# Altium PCB 10515.0462_全联供主板_V1.0.PcbDoc (part 4 of 5) (continued)
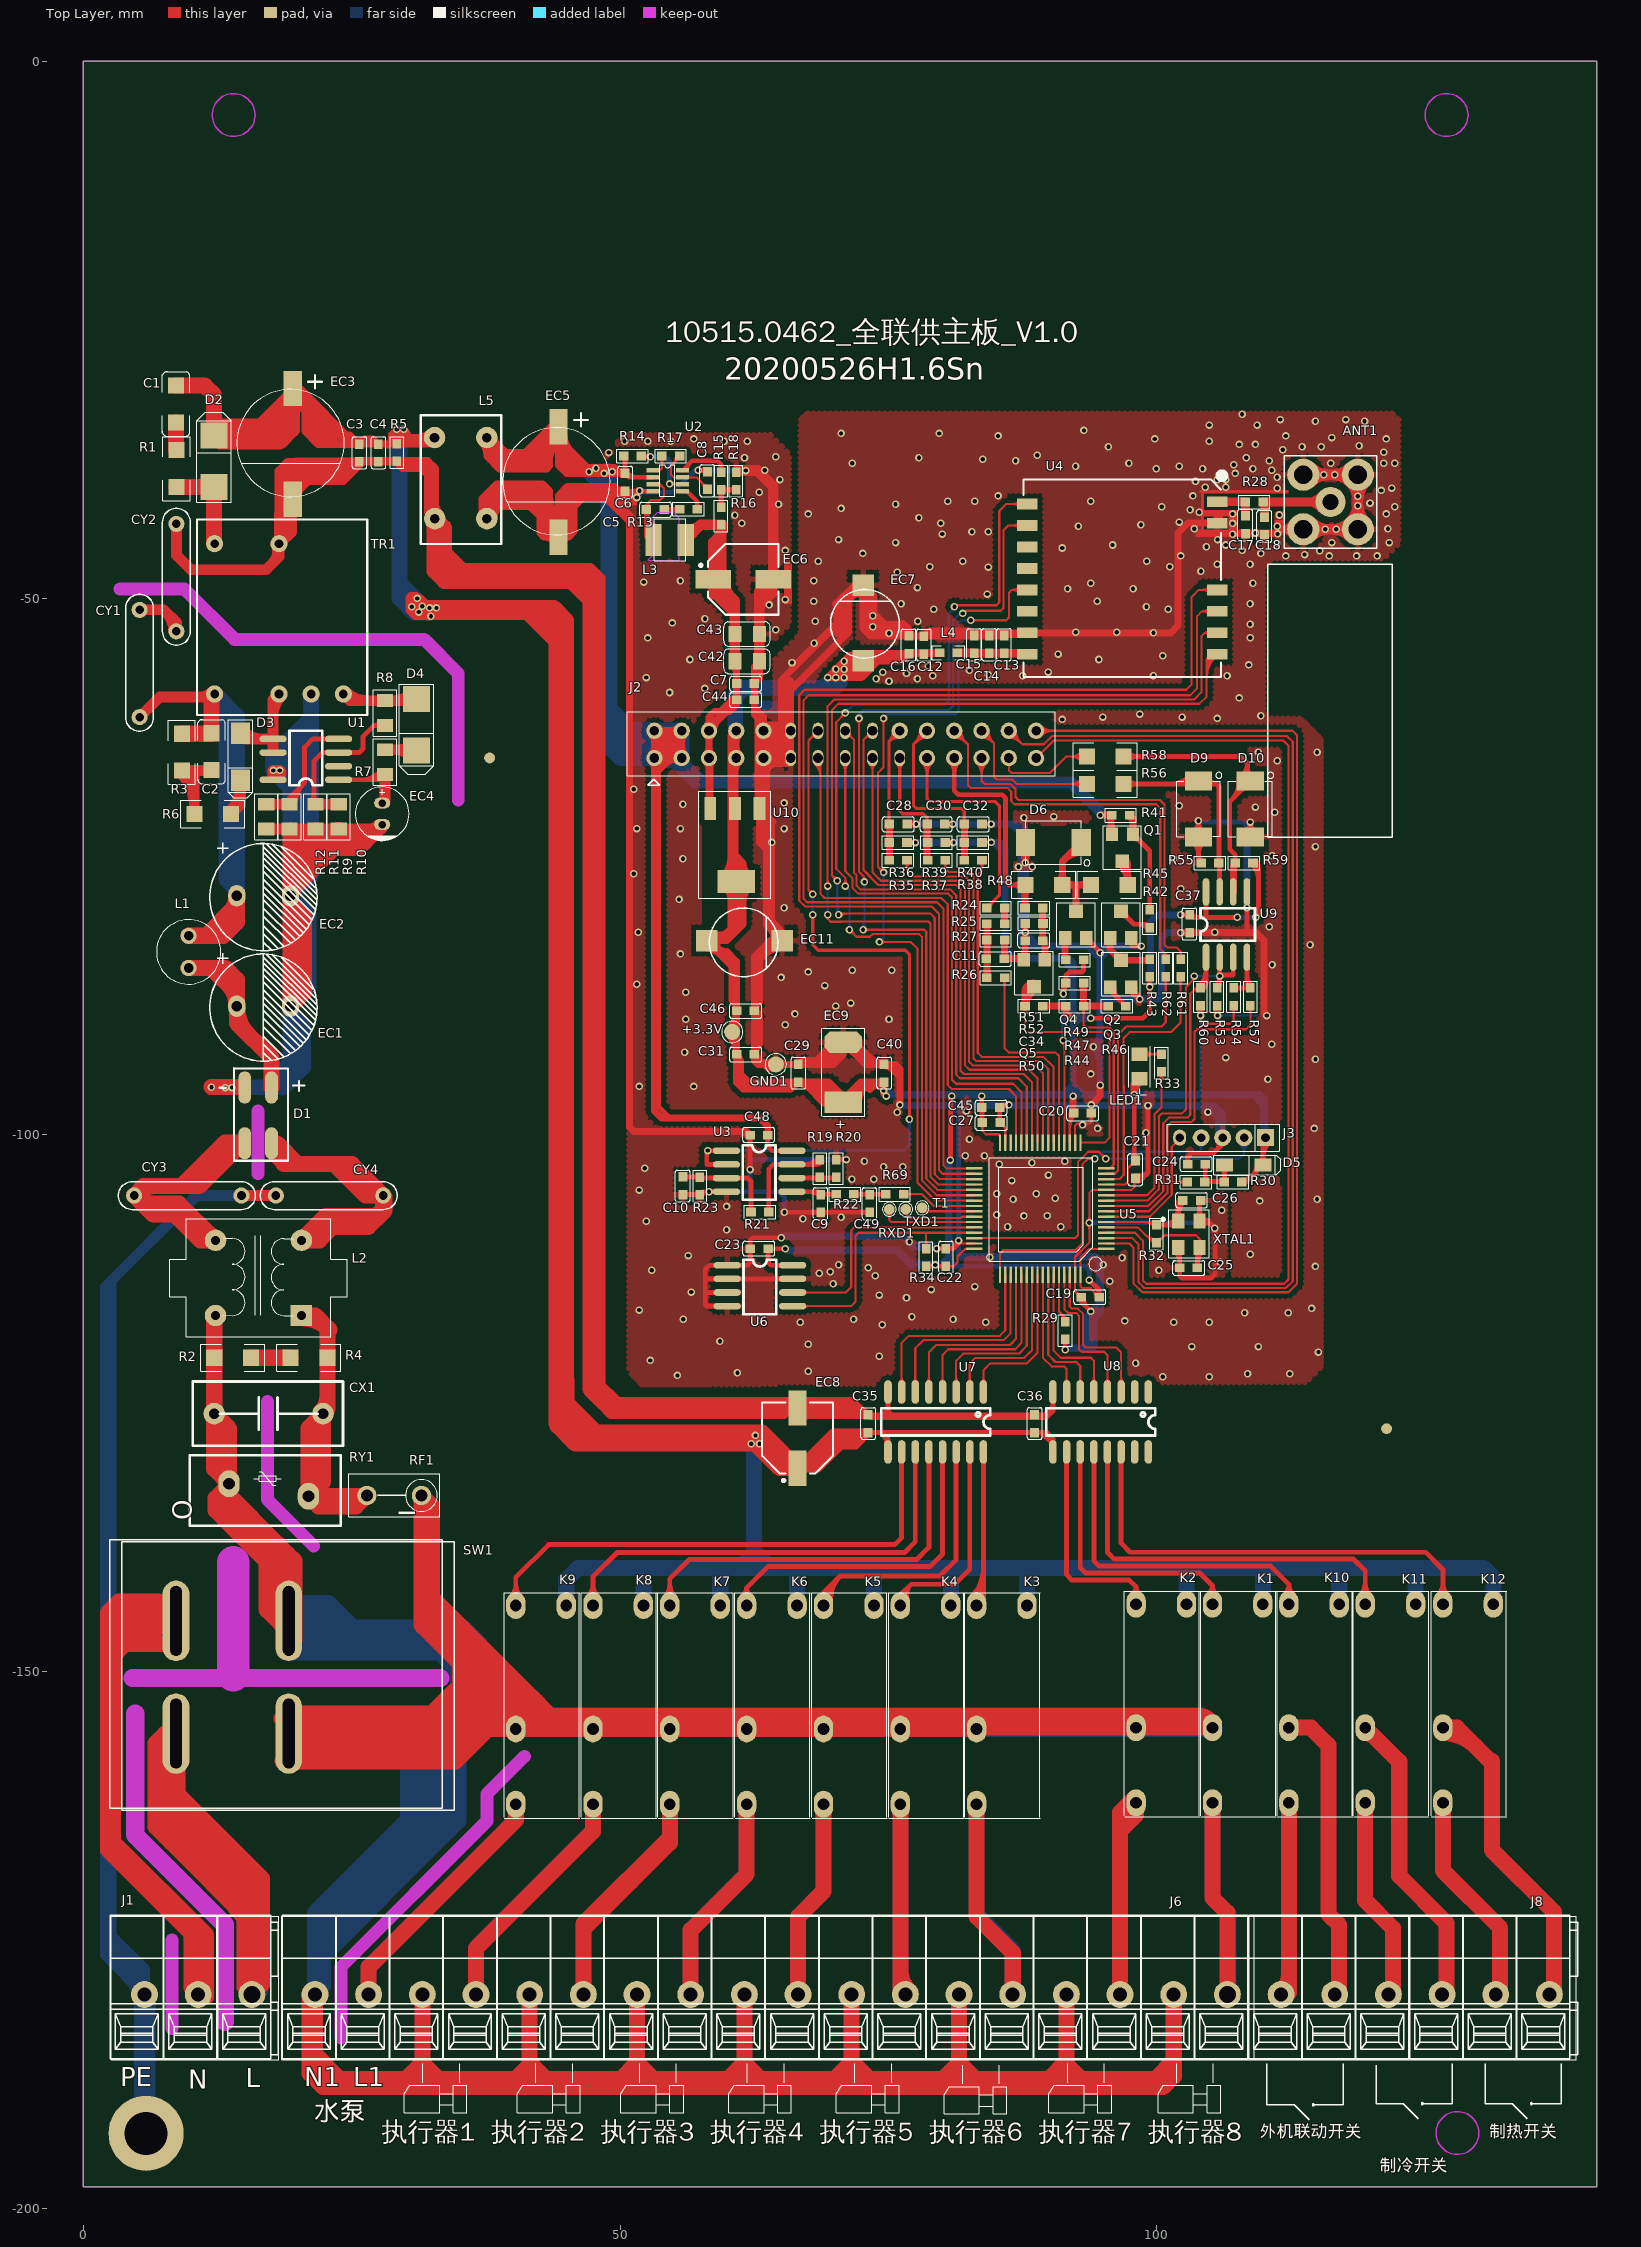
[diagram p0: Top Layer view]
## Nets (pads, with @x,y where several pads share a name; then routed paths per layer and width w, separated by ;. In a path a pad name is that pad's centre, name@x,y a point inside that pad or via, vN(x,y) a via of type N, cw(c..) or ccw(c..) an arc to the next point about the centre after c; other vN are vias at no path point) (continued)
  Top Layer w0.65: U9.6@107.13,-77.366 R59.1@107.13,-74.866 ; 107.13,-75.234 cw(c107.833,-75.234) R59.1@107.336,-74.737
NetEC4_1: EC4.1 R7.1 U1.1 | length 9.9
  Top Layer w0.45: U1.1@23.776,-66.936 R7.1@27.597,-66.936 ; 25.817,-66.936 ccw(c25.817,-64.311) R7.1@27.674,-66.167 ; 26.904,-66.936 ccw(c26.904,-65.397) R7.1@27.992,-66.485
  Top Layer w1: EC4.1@27.847,-69.099 28.101,-68.845 R7.1@28.101,-66.432
NetLED1_1: LED1.1 R33.2 | length 6.5
  Top Layer w0.2: LED1.1@98.413,-92.494 R33.2@100.437,-92.494 ; LED1.1@98.763,-92.744 cw(c99.367,-93.348) 99.367,-92.494 ; LED1.1@98.763,-92.27 ccw(c99.303,-91.73) 99.303,-92.494 ; LED1.1@98.905,-92.885 cw(c99.85,-93.831) 99.85,-92.494 ; LED1.1@98.905,-92.128 ccw(c99.786,-91.247) 99.786,-92.494 ; R33.2@100.22,-92.71 ccw(c99.697,-93.233) 99.697,-92.494 ccw(c99.697,-91.754) R33.2@100.22,-92.277
NetQ1_1: Q1.1 R41.1 R42.1 | length 13.4
  Top Layer w0.45: Q1.1@97.79,-72.419 cw(c97.79,-73.409) 98.49,-72.709 ; Q1.1@97.79,-72.009 99.348,-73.567 R42.1@99.348,-79.057 ; Q1.1@98.137,-72.072 ccw(c98.82,-72.072) Q1.1@98.337,-72.556 ; R42.1@99.22,-78.891 ccw(c98.91,-78.581) 99.348,-78.581 ccw(c99.786,-78.581) R42.1@99.476,-78.891
  Top Layer w0.65: R41.1@97.453,-70.289 cw(c96.64,-71.102) 97.79,-71.102 ; R41.1@97.472,-70.231 97.79,-70.549 Q1.1@97.79,-72.009 ; Q1.1@97.616,-71.771 ccw(c97.195,-71.35) 97.79,-71.35 ccw(c98.385,-71.35) Q1.1@97.964,-71.771
NetQ1_3: Q1.3 R45.2 | length 6.7
  Top Layer w0.65: Q1.3@96.571,-74.728 cw(c94.819,-76.48) R45.2@97.296,-76.48 ; Q1.3@96.79,-74.509 97.296,-75.015 R45.2@97.296,-76.719 ; R45.2@96.996,-76.419 ccw(c96.27,-75.693) 97.296,-75.693 ccw(c98.322,-75.693) R45.2@97.597,-76.419 ; Q1.3@97.03,-74.269 cw(c96.389,-74.91) Q1.3@97.296,-74.91
NetQ2_1: Q2.1 Q3.3 R43.1 | length 8.6
  Top Layer w0.45: Q3.3@96.665,-83.744 Q3.3@96.768,-83.641
  Top Layer w0.65: Q2.1@95.491,-81.91 cw(c95.07,-82.331) 95.665,-82.331 cw(c96.26,-82.331) Q2.1@95.839,-81.91 ; Q2.1@95.665,-81.672 95.665,-82.744 Q3.3@96.665,-83.744 99.244,-83.744 R43.1@99.348,-83.641 ; Q3.3@96.355,-83.744 ccw(c95.606,-83.744) 96.136,-83.215 ccw(c96.665,-82.686) Q3.3@96.665,-83.434 ; Q3.3@96.884,-83.964 cw(c97.413,-84.493) 97.413,-83.744 cw(c97.413,-82.996) Q3.3@96.884,-83.525
NetQ2_3: Q2.3 R42.2 | length 6
  Top Layer w0.2: R42.2@99.03,-80.391 R42.2@99.348,-80.709
  Top Layer w0.45: Q2.3@96.665,-79.582 cw(c96.665,-80.572) 97.365,-79.872 cw(c98.065,-79.172) Q2.3@97.075,-79.172 ; Q2.3@96.665,-79.172 97.883,-80.391 R42.2@99.03,-80.391 ; 98.235,-80.391 cw(c98.235,-81.783) R42.2@99.22,-80.799
NetQ3_1: Q3.1 R46.1 | length 3.9
  Top Layer w0.45: Q3.1@95.665,-86.244 95.665,-86.562 R46.1@97.125,-88.022 ; Q3.1@96.011,-86.308 ccw(c97.461,-86.308) 96.436,-87.333 ; R46.1@96.751,-87.648 cw(c96.376,-88.022) R46.1@96.906,-88.022
NetQ4_1: Q4.1 R49.1 | length 2.9
  Top Layer w0.65: Q4.1@91.3,-81.91 cw(c90.879,-82.331) 91.474,-82.331 cw(c92.069,-82.331) Q4.1@91.648,-81.91 ; R49.1@91.474,-83.641 Q4.1@91.474,-81.672
NetR2_2: R2.2 R4.1 | length 3.7
  Top Layer w1.5: R2.2@15.621,-120.777 R4.1@19.304,-120.777
NetR8_1: R8.1 R9.2 R10.2 U1.3 | length 17.4
  Top Layer w0.45: R9.2@21.197,-68.947 ccw(c20.472,-68.223) 21.497,-68.223 ; R9.2@21.497,-69.085 21.497,-65.162 22.263,-64.396 U1.3@23.776,-64.396 25.692,-64.396 26.069,-64.019 26.069,-62.876 27.085,-61.86 ; 21.497,-68.392 ccw(c22.283,-68.392) R9.2@21.727,-68.947 ; R8.1@27.663,-62.114 ccw(c27.085,-62.645) 27.085,-61.86 ; R8.1@27.663,-61.607 cw(c27.085,-61.076) 27.085,-61.86 ; R8.1@28.101,-61.86 27.085,-61.86
  Top Layer w1: R9.2@21.624,-69.212 R10.2@23.783,-69.212
NetR11_2: R11.2 R12.2 U1.4 | length 15.8
  Top Layer w0.45: R11.2@19.036,-68.881 ccw(c18.884,-68.591) 19.211,-68.591 ; R11.2@19.211,-69.212 19.211,-68.591 ; R11.2@19.298,-69.212 cw(c21.007,-69.212) 19.799,-68.004 ; R11.2@19.385,-68.881 cw(c19.538,-68.591) 19.211,-68.591 ; R11.2@19.748,-69.212 cw(c22.544,-69.212) 20.567,-67.236 ; U1.4@23.776,-63.126 21.374,-63.126 20.608,-63.892 20.608,-67.194 19.211,-68.591
  Top Layer w1: R12.2@17.052,-69.212 R11.2@19.211,-69.212
NetR13_2: R13.2 U2.5 | length 3.3
  Top Layer w0.4: U2.5@55.825,-40.055 56.234,-40.055 57.199,-41.021 R13.2@57.199,-41.718 ; R13.2@57.053,-41.572 ccw(c56.701,-41.22) 57.199,-41.22 ccw(c57.698,-41.22) R13.2@57.345,-41.572
NetR14_2: R14.2 U2.6 | length 8
  Top Layer w0.2: R14.2@51.992,-36.765 R14.2@52.057,-36.765 ; v1@54.645,-39.405 U2.6@55.825,-39.405 ; v1@54.787,-39.547 cw(c55.129,-39.889) 55.129,-39.405 ; v1@54.787,-39.193 ccw(c55.299,-38.681) U2.6@55.299,-39.405 ; U2.6@55.354,-39.476 ccw(c55.183,-39.647) 55.183,-39.405 ccw(c55.183,-39.164) U2.6@55.354,-39.335
  Top Layer w0.45: R14.2@52.057,-36.83 v1(52.832,-36.83) ; R14.2@52.159,-36.637 ccw(c52.625,-36.171) v1@52.625,-36.83
  Bottom Layer w0.45: v1(52.832,-36.83) 54.229,-36.83 54.61,-37.211 v1(54.61,-39.37)
NetR15_1: R15.1 U2.8 | length 6.3
  Top Layer w0.4: U2.8@55.825,-38.105 56.719,-37.211 59.055,-37.211 59.422,-37.578 R15.1@59.422,-38.266 ; U2.8@56.225,-38.105 cw(c57.191,-38.105) 56.508,-37.422 ; R15.1@59.276,-38.082 ccw(c58.924,-37.73) 59.422,-37.73 ccw(c59.92,-37.73) R15.1@59.568,-38.082
NetR15_2: R15.2 R16.1 R18.1 | length 3
  Top Layer w0.5: R16.1@59.422,-41.528 R15.2@59.422,-39.917 R18.1@60.819,-39.917
NetR17_2: R17.2 U2.1 | length 4
  Top Layer w0.2: U2.1@53.079,-38.105 53.716,-38.105 ; U2.1@53.512,-38.011 ccw(c53.636,-37.662) 53.897,-37.924 ; U2.1@53.551,-38.175 cw(c53.716,-38.336) 53.716,-38.105 ; U2.1@53.551,-38.035 ccw(c53.716,-37.875) 53.716,-38.105 ; R17.2@53.681,-36.982 cw(c53.158,-37.505) 53.897,-37.505 cw(c54.637,-37.505) R17.2@54.114,-36.982 ; R17.2@53.897,-36.765 53.897,-37.924 ; 53.716,-38.105 53.897,-37.924
NetR19_1: R19.1 R20.2 U3.6 | length 5.6
  Top Layer w0.2: R19.1@68.539,-104.036 R19.1@68.614,-103.961
  Top Layer w0.45: U3.6@66.011,-104.036 70.063,-104.036 R20.2@70.138,-103.961 ; 68.088,-104.036 ccw(c68.088,-103.473) R19.1@68.486,-103.871 ; R19.1@68.742,-103.871 ccw(c69.14,-103.473) 69.14,-104.036 ; 69.612,-104.036 ccw(c69.612,-103.473) R20.2@70.01,-103.871
NetR19_2: R19.2 R21.2 U3.7 | length 12.3
  Top Layer w0.45: R21.2@63.723,-107.071 ccw(c63.413,-106.761) 63.851,-106.761 ccw(c64.289,-106.761) R21.2@63.98,-107.071 ; R21.2@63.851,-107.199 63.851,-103.199 64.285,-102.766 U3.7@66.011,-102.766 68.158,-102.766 R19.2@68.614,-102.31 ; U3.7@67.168,-102.766 ccw(c67.168,-100.902) R19.2@68.486,-102.22 ; R19.2@68.239,-102.685 cw(c68.614,-103.059) R19.2@68.614,-102.529 ; 68.254,-102.766 ccw(c68.254,-101.988) R19.2@68.804,-102.538
NetR24_1: R24.1 R25.2 | length 1.5
  Top Layer w0.65: R25.2@85.822,-80.332 R24.1@85.822,-78.878
NetR29_1: R29.1 U5.60 | length 5.9
  Top Layer w0.2: U5.60@90.893,-113.034 90.893,-116.47 91.474,-117.051 R29.1@91.474,-117.423 ; 91.064,-116.641 cw(c90.33,-117.375) R29.1@91.367,-117.384 ; 91.401,-116.978 cw(c90.998,-117.381) R29.1@91.567,-117.386
NetR54_1: R54.1 R57.1 U9.4 | length 6.9
  Top Layer w0.45: R54.1@107.175,-86.326 R57.1@108.723,-86.326 ; R54.1@107.303,-86.455 cw(c107.613,-86.764) 107.613,-86.326 cw(c107.613,-85.888) R54.1@107.303,-86.198 ; R57.1@108.4,-86.268 U9.4@108.4,-83.462 ; 108.4,-85.071 ccw(c109.941,-85.071) R57.1@108.852,-86.16 ; R57.1@108.595,-86.455 ccw(c108.285,-86.764) 108.285,-86.326 ccw(c108.285,-85.888) R57.1@108.595,-86.198
NetR61_1: R61.1 U5.14 | length 26
  Top Layer w0.2: U5.14@95.293,-104.134 96.526,-104.134 96.921,-103.739 96.921,-95.398 96.903,-95.379 96.903,-91.021 97.48,-90.443 101.327,-90.443 102.216,-89.554 102.216,-85.172 R61.1@102.235,-85.153 ; R61.1@102.018,-85.547 cw(c101.54,-86.025) 102.216,-86.025 ; 102.216,-86.115 cw(c103.02,-86.115) R61.1@102.452,-85.547
NetR62_1: R62.1 U5.15 | length 24.6
  Top Layer w0.2: U5.15@95.293,-103.634 96.102,-103.634 96.397,-103.34 96.397,-102.626 96.393,-102.622 96.393,-90.678 97.155,-89.916 100.457,-89.916 100.838,-89.535 R62.1@100.838,-85.153 ; U5.15@95.958,-103.624 ccw(c95.958,-103.252) 96.221,-103.515 ; R62.1@100.621,-85.547 cw(c100.098,-86.07) 100.838,-86.07 cw(c101.578,-86.07) R62.1@101.055,-85.547
NINE: J1.2 SW1.@8.636,-145.288 | length 104
  Top Layer w1.5: 2.758,-146.388 2.758,-148.59 ; 2.921,-144.78 7.112,-144.78 7.62,-145.288 6.731,-146.177 3.429,-146.177 ; 5.171,-146.177 3.919,-147.429 ; 6.985,-143.51 3.302,-143.51 2.286,-144.526 2.286,-166.624 10.096,-174.434 ; 7.366,-147.447 7.348,-147.429 3.919,-147.429 ; J1.2@11.43,-180.34 11.43,-174.531 2.758,-165.859 2.758,-148.59 ; 2.758,-148.59 3.919,-147.429 ; 10.096,-174.434 10.096,-179.492 J1.2@10.702,-180.097 10.702,-175.04 10.096,-174.434
NRST: J3.5 R31.1 U5.7 | length 15
  Top Layer w0.2: U5.7@95.293,-107.634 99.352,-107.634 101.403,-105.584 101.403,-101.131 J3.5@102.136,-100.398 ; 101.403,-104.405 R31.1@102.833,-104.405 ; R31.1@102.579,-104.622 ccw(c102.056,-105.145) 102.056,-104.405 ccw(c102.056,-103.666) R31.1@102.579,-104.189
NTC1: C28.2 J2.20 R35.2 R36.2 | length 15.9
  Top Layer w0.3: C28.2@74.803,-71.218 75.057,-70.964 75.057,-63.373 ; C28.2@74.867,-70.873 ccw(c74.408,-70.414) 75.057,-70.414 ; 75.057,-70.457 ccw(c75.646,-70.457) C28.2@75.229,-70.873 ; J2.20@75.45,-62.386 cw(c74.107,-62.423) 75.057,-63.373 ; J2.20@76.045,-62.98 ccw(c76.007,-64.323) 75.057,-63.373 ; J2.20@76.062,-62.368 75.057,-63.373
  Top Layer w0.45: R35.2@75.084,-74.433 R35.2@75.086,-74.431
  Top Layer w0.65: R35.2@75.086,-74.431 C28.2@75.086,-71.054
NTC2: C32.2 J2.22 R38.2 R40.2 | length 20.3
  Top Layer w0.3: J2.22@77.99,-62.368 cw(c76.512,-62.368) 77.557,-63.413 cw(c78.602,-64.458) J2.22@78.602,-62.98 ; J2.22@78.602,-62.368 77.343,-63.627 77.343,-69.342 77.597,-69.596 81.788,-69.596 82.071,-69.879 C32.2@82.071,-71.054 ; C32.2@81.89,-70.873 ccw(c81.452,-70.435) 82.071,-70.435 ccw(c82.69,-70.435) C32.2@82.253,-70.873
  Top Layer w0.45: R38.2@82.069,-74.433 R38.2@82.069,-74.431
  Top Layer w0.65: R38.2@82.071,-74.431 C32.2@82.071,-71.054
NTC3: C30.2 J2.19 R37.2 R39.2 | length 13.9
  Top Layer w0.3: J2.19@75.814,-65.418 cw(c75.217,-66.015) 76.062,-66.015 cw(c76.907,-66.015) J2.19@76.309,-65.418 ; J2.19@76.062,-64.908 76.062,-69.839 76.327,-70.104 78.232,-70.104 78.602,-70.474 ; C30.2@78.429,-70.865 ccw(c78.073,-70.474) 78.602,-70.474 ; C30.2@78.602,-71.054 78.602,-70.474 ; C30.2@78.775,-70.865 cw(c79.131,-70.474) 78.602,-70.474
  Top Layer w0.65: R37.2@78.602,-74.388 C30.2@78.602,-71.054
O_LED_RCLK: J2.30 U5.2 | length 101.8
  Top Layer w0.2: J2.30@88.762,-62.368 112.66,-62.368 113.068,-62.776 113.068,-113.881 112.268,-114.681 98.679,-114.681 97.824,-113.826 97.824,-110.501 97.457,-110.134 U5.2@95.293,-110.134 ; J2.30@89.089,-62.695 cw(c89.877,-63.484) 89.877,-62.368 cw(c89.877,-61.253) J2.30@89.089,-62.042 ; J2.30@89.23,-62.837 cw(c90.36,-63.967) 90.36,-62.368 cw(c90.36,-60.77) J2.30@89.23,-61.9
O_LED_SER: J2.29 U5.4 | length 95.6
  Top Layer w0.2: J2.29@88.934,-64.736 J2.29@88.762,-64.908 90.405,-63.265 111.779,-63.265 112.268,-63.754 112.268,-113.48 111.867,-113.881 99.01,-113.881 98.713,-113.584 98.713,-109.866 97.981,-109.134 U5.4@95.293,-109.134
O_LED_SRCLK: J2.28 U5.3 | length 103.6
  Top Layer w0.2: J2.28@86.222,-63.03 cw(c86.222,-64.629) 87.352,-63.499 cw(c88.482,-62.368) J2.28@86.884,-62.368 ; J2.28@86.222,-62.83 cw(c86.222,-63.946) 87.011,-63.157 cw(c87.799,-62.368) J2.28@86.684,-62.368 ; J2.28@86.222,-62.368 87.48,-63.627 89.478,-63.627 90.24,-62.865 112.141,-62.865 112.668,-63.392 112.668,-113.646 112.033,-114.281 98.845,-114.281 98.313,-113.749 98.313,-110.228 97.719,-109.634 U5.3@95.293,-109.634
O_PWM: R69.1 U5.40 | length 8.6
  Top Layer w0.2: R69.1@76.127,-105.21 76.454,-105.537 78.127,-105.537 79.225,-106.634 U5.40@82.993,-106.634 ; R69.1@76.679,-105.765 cw(c77.23,-106.316) 77.23,-105.537 ; R69.1@76.679,-105.332 ccw(c77.175,-104.836) 77.175,-105.537
ON-OFFOUT: K10.4 U8.12 | length 33.2
  Top Layer w0.45: U8.12@94.141,-129.678 94.141,-137.395 94.141,-139.681 94.649,-140.189 110.621,-140.189 112.308,-141.876 ; K10.4@111.857,-142.885 ccw(c110.953,-141.877) 112.308,-141.877 ; K10.4@112.308,-143.738 112.308,-141.876 ; K10.4@112.758,-142.885 cw(c113.663,-141.877) 112.308,-141.877
OSC_IN: C25.1 R32.2 U5.5 XTAL1.3 | length 19.2
  Top Layer w0.2: U5.5@95.293,-108.634 98.243,-108.634 99.665,-110.057 R32.2@99.983,-110.057 100.046,-110.057 100.745,-109.358 103.666,-109.358 103.991,-109.683 ; 98.853,-109.244 ccw(c99.983,-108.114) 99.983,-109.712 ccw(c99.983,-108.727) 100.679,-109.424 ; 99.194,-109.586 ccw(c99.983,-108.797) 99.983,-109.912 ccw(c99.983,-109.41) R32.2@100.338,-109.765 ; 99.536,-109.927 ccw(c99.983,-109.48) R32.2@99.983,-110.112 ; R32.2@100.289,-110.019 cw(c100.784,-110.019) 100.434,-109.669 ; XTAL1.3@103.812,-109.95 ccw(c103.703,-109.683) 103.991,-109.683 ; XTAL1.3@103.991,-110.515 103.991,-109.683 ; XTAL1.3@104.17,-109.95 cw(c104.279,-109.683) 103.991,-109.683
  Top Layer w0.45: C25.1@103.666,-112.255 ccw(c103.356,-111.945) 103.794,-111.945 ccw(c104.232,-111.945) C25.1@103.923,-112.255 ; C25.1@103.794,-112.383 103.794,-110.712 XTAL1.3@103.991,-110.515 ; 103.794,-111.96 cw(c105.311,-111.96) XTAL1.3@104.238,-110.888
OSC_OUT: C26.1 R32.1 U5.6 XTAL1.1 | length 17.7
  Top Layer w0.2: U5.6@95.293,-108.134 R32.1@99.711,-108.134 ; 98.68,-108.134 cw(c98.68,-109.671) R32.1@99.766,-108.584 ; 99.163,-108.134 cw(c99.163,-109.188) R32.1@99.908,-108.443 ; R32.1@99.645,-108.134 cw(c99.645,-108.705) R32.1@100.049,-108.302
  Top Layer w0.45: R32.1@99.983,-108.406 101.6,-108.406 XTAL1.1@101.991,-108.015 101.991,-106.576 C26.1@102.44,-106.126 ; R32.1@100.111,-108.534 cw(c100.421,-108.844) 100.421,-108.406 cw(c100.421,-107.968) R32.1@100.111,-108.278 ; 100.504,-108.406 ccw(c100.504,-106.654) XTAL1.1@101.743,-107.893 ; XTAL1.1@101.743,-107.643 ccw(c101.146,-107.045) 101.991,-107.045 ccw(c102.836,-107.045) XTAL1.1@102.238,-107.643 ; XTAL1.1@101.991,-107.558 cw(c103.834,-107.558) C26.1@102.531,-106.255 ; 101.991,-106.736 cw(c102.419,-106.736) C26.1@102.407,-106.308 ; 101.991,-106.471 cw(c102.747,-106.471) C26.1@102.212,-105.936 ; C26.1@102.066,-106.501 ccw(c101.691,-106.126) C26.1@102.221,-106.126
OUTPUT_VOULTAGE: J2.14 U3.1 U3.2 | length 79.1
  Top Layer w0.2: v1@67.696,-77.576 ccw(c67.242,-77.538) 67.564,-77.216 ; 67.749,-63.08 cw(c68.359,-63.689) J2.14@68.426,-62.83 ; v1@67.924,-77.348 cw(c67.886,-76.894) 67.564,-77.216 ; 67.931,-62.898 ccw(c67.664,-62.63) J2.14@68.042,-62.63 ; v1(67.945,-77.597) 67.564,-77.216 ; J2.14@68.442,-62.368 68.442,-62.387 67.564,-63.265 67.564,-77.216
  Top Layer w0.3: v1@67.804,-79.643 cw(c67.462,-79.985) 67.945,-79.985 cw(c68.428,-79.985) v1@68.086,-79.643 ; v1(67.945,-79.502) 67.945,-82.296 68.453,-82.804 76.581,-82.804 76.962,-83.185 v1(76.962,-98.552) ; v1@76.821,-98.411 ccw(c76.479,-98.069) 76.962,-98.069 ccw(c77.445,-98.069) v1@77.103,-98.411
  Top Layer w0.45: 58.073,-102 cw(c58.693,-102) v1@58.254,-101.561 ; v1@58.254,-101.385 ccw(c58.522,-101.117) 58.522,-101.496 ; U3.2@59.915,-102.766 58.084,-102.766 58.073,-102.754 58.073,-101.507 58.084,-101.496 U3.1@59.915,-101.496
  Bottom Layer w0.2: v1@67.768,-79.325 ccw(c67.341,-78.898) 67.945,-78.898 ccw(c68.549,-78.898) v1@68.122,-79.325 ; v1@67.768,-77.774 cw(c67.341,-78.201) 67.945,-78.201 cw(c68.549,-78.201) v1@68.122,-77.774 ; v1(67.945,-79.502) v1(67.945,-77.597)
  Bottom Layer w0.3: v1(58.166,-101.473) 76.454,-101.473 76.962,-100.965 v1(76.962,-98.552) ; v1@58.307,-101.614 cw(c58.649,-101.956) 58.649,-101.473 cw(c58.649,-100.99) v1@58.307,-101.332 ; v1@76.821,-98.693 cw(c76.479,-99.035) 76.962,-99.035 cw(c77.445,-99.035) v1@77.103,-98.693
PE: CY3.1 CY4.2 J1.3 pad.0@5.842,-193.04 | length 183.4
  Top Layer w1: CY3.1@14.732,-105.664 CY4.2@17.94,-105.664
  Bottom Layer w1: 2.032,-175.26 5.702,-178.93 J1.3@5.702,-180.097 ; 2.603,-175.832 2.603,-174.625 ; 2.603,-113.602 2.603,-174.625 ; 3.596,-176.824 cw(c0.323,-180.097) 4.952,-180.097 ccw(c3.141,-180.097) 4.422,-178.817 ccw(c5.702,-177.537) J1.3@5.702,-179.347 ; 5.303,-178.531 cw(c3.737,-180.097) J1.3@5.952,-180.097 ; pad.0@5.702,-192.9 pad.0@5.842,-193.04 ; CY3.1@14.732,-105.664 10.541,-105.664 2.032,-114.173 2.032,-176.428 J1.3@5.702,-180.097 ; 2.603,-174.625 5.702,-177.723 J1.3@5.702,-180.097
  Bottom Layer w2: pad.0@5.702,-192.9 J1.3@5.702,-180.097
PUMP: J6.17 K9.1 | length 47.3
  Top Layer w1.5: J6.17@26.582,-180.097 26.582,-177.552 40.292,-163.842 K9.1@40.292,-161.925
  Bottom Layer w1.5: J6.17@26.582,-180.097 26.582,-177.507 40.292,-163.797 K9.1@40.292,-162.365
PUMPOUT: K9.4 U7.10 | length 50.7
  Top Layer w0.45: K9.4@39.815,-143.038 ccw(c38.662,-141.885) 40.292,-141.885 ccw(c41.921,-141.885) K9.4@40.769,-143.038 ; K9.4@40.292,-143.865 40.292,-141.236 43.341,-138.187 75.599,-138.187 76.234,-137.552 76.234,-135.266 U7.10@76.234,-129.551
RELAY_COOL: U5.61 U8.4 | length 15.2
  Top Layer w0.2: U5.61@91.393,-113.034 91.393,-116.262 91.728,-116.597 92.49,-116.597 92.744,-116.851 92.744,-119.969 92.998,-120.223 95.1,-120.223 95.411,-120.534 U8.4@95.411,-123.963 ; U8.4@95.234,-123.037 ccw(c94.807,-122.61) 95.411,-122.61 ccw(c96.014,-122.61) U8.4@95.588,-123.037
RELAY_ON-OFF: U5.59 U8.5 | length 15.1
  Top Layer w0.2: U5.59@90.393,-113.034 90.393,-120.111 91.059,-120.777 93.875,-120.777 94.141,-121.042 U8.5@94.141,-123.963 ; U8.5@93.964,-123.037 ccw(c93.537,-122.61) 94.141,-122.61 ccw(c94.744,-122.61) U8.5@94.318,-123.037
RELAY_PUMP: U5.50 U7.7 | length 20.9
  Top Layer w0.2: U7.7@76.057,-123.037 ccw(c75.63,-122.61) 76.234,-122.61 ccw(c76.837,-122.61) U7.7@76.411,-123.037 ; U7.7@76.234,-123.963 76.234,-119.391 76.888,-118.737 85.378,-118.737 85.893,-118.222 U5.50@85.893,-113.034
RELAY_WARM: U5.62 U8.3 | length 15.8
  Top Layer w0.2: U5.62@91.893,-113.034 91.893,-115.981 92.109,-116.197 92.656,-116.197 93.144,-116.686 93.144,-119.588 93.379,-119.823 96.224,-119.823 96.681,-120.28 U8.3@96.681,-123.963 ; U8.3@96.504,-123.037 ccw(c96.077,-122.61) 96.681,-122.61 ccw(c97.284,-122.61) U8.3@96.858,-123.037
RF_DIO0: U4.2 U5.37 | length 93.9
  Top Layer w0.2: v1@72.086,-61.391 cw(c71.659,-61.818) 72.263,-61.818 cw(c72.867,-61.818) v1@72.44,-61.391 ; v1(72.263,-61.214) 72.263,-75.496 72.722,-75.955 ; v1@72.594,-76.277 ccw(c72.286,-75.969) 72.722,-75.969 ; v1(72.644,-80.899) 78.359,-80.899 78.524,-81.064 78.524,-101.428 78.522,-101.43 78.522,-103.294 78.524,-103.296 78.524,-104.086 79.572,-105.134 U5.37@82.993,-105.134 ; v1(72.771,-76.454) 72.722,-76.405 72.722,-75.955 ; v1@72.821,-81.076 cw(c73.248,-81.503) 73.248,-80.899 cw(c73.248,-80.295) v1@72.821,-80.722 ; v1@72.889,-76.234 cw(c73.038,-75.955) 72.722,-75.955 ; v1(81.915,-51.435) 82.169,-51.181 84.201,-51.181 85.471,-51.181 85.725,-50.927 85.725,-50.292 85.725,-43.688 86.17,-43.243 U4.2@87.924,-43.243 ; U4.2@87.191,-43.526 ccw(c86.508,-44.209) 86.508,-43.243 ccw(c86.508,-42.277) U4.2@87.191,-42.96
  Bottom Layer w0.2: v1@72.163,-60.985 ccw(c72.098,-60.833) 72.263,-60.833 ; v1(72.263,-61.214) 72.263,-60.833 ; v1@72.31,-61.198 cw(c72.805,-61.03) 72.436,-60.66 ; v1@72.363,-60.985 cw(c72.428,-60.833) 72.263,-60.833 ; v1@72.467,-80.722 ccw(c71.734,-79.989) 72.771,-79.989 ; v1@72.5,-61.134 cw(c73.145,-60.915) 72.663,-60.433 ; v1@72.594,-76.631 cw(c72.167,-77.058) 72.771,-77.058 cw(c73.375,-77.058) v1@72.948,-76.631 ; v1@72.609,-80.864 ccw(c72.217,-80.472) 72.771,-80.472 ; v1@72.771,-80.772 v1(72.771,-76.454) ; v1(81.915,-51.435) 81.661,-51.435 81.026,-52.07 81.026,-60.052 80.645,-60.433 72.663,-60.433 ; 72.263,-60.833 72.663,-60.433
RF_DIO3: U4.5 U5.39 | length 85.6
  Top Layer w0.2: v1@73.914,-82.042 v1(74.168,-82.042) 77.089,-82.042 77.724,-82.677 77.724,-101.097 77.722,-101.099 77.722,-103.625 77.724,-103.627 77.724,-104.499 79.36,-106.134 U5.39@82.993,-106.134 ; v1@74.299,-75.565 ccw(c73.695,-75.565) 74.122,-75.138 ccw(c74.549,-74.711) v1@74.549,-75.315 ; v1@74.345,-82.219 cw(c74.772,-82.646) 74.772,-82.042 cw(c74.772,-81.438) v1@74.345,-81.865 ; v1@74.372,-61.391 cw(c73.945,-61.818) 74.549,-61.818 cw(c75.153,-61.818) v1@74.726,-61.391 ; v1(74.549,-75.565) 74.041,-75.057 74.041,-66.283 74.549,-65.775 v1(74.549,-61.214) ; v1@82.55,-52.07 85.09,-52.07 85.979,-52.07 86.233,-51.816 86.233,-49.497 86.487,-49.243 ; v1@82.727,-52.247 cw(c83.154,-52.674) 83.154,-52.07 cw(c83.154,-51.466) v1@82.727,-51.893 ; U4.5@87.191,-49.526 ccw(c86.508,-50.209) 86.508,-49.243 ; U4.5@87.191,-48.96 cw(c86.508,-48.277) 86.508,-49.243 ; U4.5@87.924,-49.243 86.508,-49.243
  Bottom Layer w0.2: v1(74.168,-82.042) 74.549,-81.661 ; v1@74.189,-81.793 ccw(c74.227,-81.339) 74.549,-81.661 ; v1@74.372,-75.742 cw(c73.945,-76.169) 74.549,-76.169 cw(c75.153,-76.169) v1@74.726,-75.742 ; v1@74.417,-82.021 cw(c74.871,-81.983) 74.549,-81.661 ; v1(74.549,-75.565) 74.549,-81.661 ; v1(74.549,-61.214) 74.93,-60.833 ; v1@74.57,-60.965 ccw(c74.608,-60.511) 74.93,-60.833 ; v1@74.798,-61.193 cw(c75.252,-61.155) 74.93,-60.833 ; v1@82.55,-52.07 82.535,-52.085 81.773,-52.085 81.534,-52.324 81.534,-60.579 81.28,-60.833 74.93,-60.833
  other v1: 82.677,-52.07
RF_RST: U4.1 U5.38 | length 99.1
  Top Layer w0.2: v1@70.743,-60.706 cw(c70.139,-60.706) 70.566,-61.133 cw(c70.993,-61.56) v1@70.993,-60.956 ; v1@70.816,-76.658 ccw(c70.389,-76.231) 70.993,-76.231 ccw(c71.597,-76.231) v1@71.17,-76.658 ; v1(70.993,-76.835) 70.993,-76.073 70.142,-75.222 70.142,-61.557 v1(70.993,-60.706) ; v1@71.374,-81.149 cw(c71.374,-81.753) 71.801,-81.326 cw(c72.228,-80.899) v1@71.624,-80.899 ; v1(71.374,-80.899) 72.024,-81.549 73.279,-81.549 73.529,-81.299 77.87,-81.299 78.124,-81.553 78.124,-101.262 78.122,-101.264 78.122,-103.46 78.124,-103.462 78.124,-104.252 79.507,-105.634 U5.38@82.993,-105.634 ; v1@81.407,-50.673 84.455,-50.673 85.071,-50.673 85.325,-50.419 85.325,-41.897 85.979,-41.243 U4.1@87.924,-41.243 ; U4.1@87.191,-41.526 ccw(c86.508,-42.209) 86.508,-41.243 ccw(c86.508,-40.277) U4.1@87.191,-40.96
  Bottom Layer w0.2: v1(70.993,-76.835) 71.374,-77.216 ; v1(70.993,-60.706) 71.755,-59.944 80.226,-59.944 80.626,-59.544 80.626,-51.454 v1@81.407,-50.673 ; v1@70.993,-60.456 ccw(c70.993,-59.852) 71.42,-60.279 ccw(c71.847,-60.706) v1@71.243,-60.706 ; v1@71.014,-77.084 cw(c71.052,-77.538) 71.374,-77.216 ; v1@71.197,-80.722 ccw(c70.77,-80.295) 71.374,-80.295 ccw(c71.978,-80.295) v1@71.551,-80.722 ; v1@71.242,-76.856 ccw(c71.696,-76.894) 71.374,-77.216 ; v1(71.374,-80.899) 71.374,-77.216 ; v1@81.03,-50.8 cw(c80.426,-50.8) 80.853,-51.227 cw(c81.28,-51.654) v1@81.28,-51.05
  other v1: 81.153,-50.8
RF_SPI_CSN: U4.11 U5.33 | length 106.3
  Top Layer w0.2: 67.102,-60.482 67.102,-60.533 ; U5.33@82.993,-103.134 80.401,-103.134 80.124,-102.857 80.124,-102.633 80.122,-102.631 80.122,-102.093 80.124,-102.091 80.124,-78.927 79.536,-78.338 67.416,-78.338 67.102,-78.024 67.102,-60.533 ; U4.11@104.891,-51.526 ccw(c104.208,-52.209) 104.208,-51.243 ccw(c104.208,-50.277) U4.11@104.891,-50.96 ; U4.11@105.624,-51.243 104.205,-51.243 103.759,-51.689 103.759,-58.42 103.124,-59.055 67.564,-59.055 67.102,-59.517 67.102,-60.533
RF_SPI_SCLK: U4.12 U5.34 | length 109.2
  Top Layer w0.2: U5.34@82.993,-103.634 80.035,-103.634 79.724,-103.324 79.724,-102.799 79.722,-102.797 79.722,-101.927 79.724,-101.925 79.724,-79.435 79.028,-78.738 67.251,-78.738 66.702,-78.19 66.702,-59.028 67.183,-58.547 102.743,-58.547 103.251,-58.039 103.251,-49.911 103.919,-49.243 U4.12@105.624,-49.243 ; U4.12@104.891,-49.526 ccw(c104.208,-50.209) 104.208,-49.243 ccw(c104.208,-48.277) U4.12@104.891,-48.96
RF_SPI_SI: U4.10 U5.36 | length 104.1
  Top Layer w0.2: v1@69.165,-76.658 ccw(c68.738,-76.231) 69.342,-76.231 ccw(c69.946,-76.231) v1@69.519,-76.658 ; v1(69.342,-79.502) 69.342,-79.883 ; v1(69.342,-76.835) 69.342,-60.071 69.958,-59.455 103.486,-59.455 104.159,-58.782 104.159,-53.575 104.491,-53.243 ; U5.36@82.993,-104.634 79.638,-104.634 78.924,-103.921 78.924,-103.13 78.922,-103.128 78.922,-101.596 78.924,-101.594 78.924,-80.324 78.737,-80.137 70.642,-80.137 70.627,-80.152 69.611,-80.152 69.342,-79.883 ; U4.10@104.825,-53.439 ccw(c104.491,-53.626) 104.491,-53.243 ; U4.10@104.825,-53.047 cw(c104.491,-52.86) 104.491,-53.243 ; U4.10@105.624,-53.243 104.491,-53.243 ; 69.342,-79.883 cw(c69.507,-79.883) 69.442,-79.731 ccw(c69.507,-79.883) 69.342,-79.883 ; 69.342,-79.883 ccw(c69.177,-79.883) 69.242,-79.731 cw(c69.177,-79.883) 69.342,-79.883
  Bottom Layer w0.2: v1@69.165,-79.325 ccw(c68.738,-78.898) 69.342,-78.898 ccw(c69.946,-78.898) v1@69.519,-79.325 ; v1@69.165,-77.012 cw(c68.738,-77.439) 69.342,-77.439 cw(c69.946,-77.439) v1@69.519,-77.012 ; v1(69.342,-79.502) v1(69.342,-76.835)
RF_SPI_SO: U4.9 U5.35 | length 108.1
  Top Layer w0.2: v1@69.981,-76.327 ccw(c69.377,-76.327) 69.804,-75.9 ccw(c70.231,-75.473) v1@70.231,-76.077 ; v1(70.231,-76.327) 69.742,-75.838 69.742,-61.214 69.742,-60.452 70.339,-59.855 103.975,-59.855 104.648,-59.182 104.648,-55.753 105.158,-55.243 U4.9@105.624,-55.243 ; v1(70.358,-79.502) 70.485,-79.375 78.889,-79.375 79.324,-79.81 79.324,-101.759 79.322,-101.761 79.322,-102.963 79.324,-102.965 79.324,-103.686 79.773,-104.134 U5.35@82.993,-104.134 ; v1@70.393,-79.537 cw(c70.785,-79.929) 70.785,-79.375 ; v1@70.535,-79.679 cw(c71.268,-80.412) 71.268,-79.375 ; 104.648,-57.479 cw(c107.41,-57.479) U4.9@105.457,-55.526 ; 104.648,-56.996 cw(c106.927,-56.996) U4.9@105.315,-55.384 ; 104.648,-56.513 cw(c106.444,-56.513) U4.9@105.174,-55.243 ; 104.648,-56.03 cw(c105.961,-56.03) U4.9@105.033,-55.102 ; U4.9@104.78,-55.314 cw(c104.282,-55.403) 104.64,-55.761 cw(c104.978,-56.099) U4.9@105.085,-55.633
  Bottom Layer w0.2: v1@70.054,-76.504 cw(c69.627,-76.931) 70.231,-76.931 cw(c70.835,-76.931) v1@70.408,-76.504 ; 70.231,-79.075 ccw(c70.785,-79.075) v1@70.393,-79.467 ; 70.231,-78.592 ccw(c71.268,-78.592) v1@70.535,-79.325 ; v1(70.231,-76.327) 70.231,-79.375 v1(70.358,-79.502)
RF_WIRE: C17.2 R28.1 U4.14 | length 3.9
  Top Layer w0.8: U4.14@105.624,-41.023 R28.1@108.256,-41.023 ; R28.1@108.256,-41.055 108.256,-42.337 C17.2@108.27,-42.35
RS458-TRSEL6: R60.2 U5.10 U9.2 U9.3 | length 39.2
  Top Layer w0.2: U5.10@95.293,-106.134 99.155,-106.134 100.203,-105.087 100.203,-98.298 100.495,-98.006 102.362,-98.006 102.724,-97.644 102.724,-86.252 103.505,-85.471 v1(103.505,-85.217)
  Top Layer w0.45: R60.2@105.498,-86.16 ccw(c104.624,-85.286) v1@105.86,-85.286 ; R60.2@105.627,-86.326 105.86,-86.093 v1(105.86,-85.217) U9.2@105.86,-83.462 ; v1@105.929,-85.114 107.13,-85.114 U9.3@107.13,-83.462 ; v1@105.949,-85.305 cw(c106.411,-85.767) 106.411,-85.114
  Bottom Layer w0.2: v1(103.505,-85.217) v1(105.86,-85.217) ; v1@103.682,-85.394 cw(c104.109,-85.821) 104.109,-85.217 cw(c104.109,-84.613) v1@103.682,-85.04 ; v1@105.684,-85.394 ccw(c105.257,-85.821) 105.257,-85.217 ccw(c105.257,-84.613) v1@105.684,-85.04
RS485-RXD6: R53.1 U5.9 U9.1 | length 35.5
  Top Layer w0.2: U5.9@95.293,-106.634 99.221,-106.634 100.603,-105.252 100.603,-98.933 101.13,-98.406 102.87,-98.406 103.124,-98.152 103.124,-86.868 103.666,-86.326 ; 103.204,-86.788 cw(c103.979,-87.563) R53.1@104.069,-86.471 ; 103.509,-86.483 cw(c104.026,-86.999) R53.1@104.086,-86.271 ; R53.1@103.785,-86.415 ccw(c103.666,-86.451) 103.666,-86.326 ; R53.1@103.785,-86.238 cw(c103.666,-86.202) 103.666,-86.326 ; R53.1@104.078,-86.326 103.666,-86.326
  Top Layer w0.45: R53.1@103.95,-86.16 ccw(c102.404,-84.614) U9.1@104.59,-84.614 ; R53.1@104.078,-86.326 104.59,-85.814 U9.1@104.59,-83.462 ; R53.1@104.078,-86.107 ccw(c104.078,-85.577) R53.1@104.453,-85.952 ; R53.1@104.268,-86.478 ccw(c103.49,-85.7) 104.59,-85.7
RS485-TXD6: R57.2 U5.8 | length 32
  Top Layer w0.2: U5.8@95.293,-107.134 99.287,-107.134 101.003,-105.418 101.003,-99.187 101.384,-98.806 103.251,-98.806 103.524,-98.533 103.524,-90.424 103.778,-90.17 108.331,-90.17 108.723,-89.778 R57.2@108.723,-87.977 ; R57.2@108.507,-88.232 cw(c107.984,-88.755) 108.723,-88.755 cw(c109.463,-88.755) R57.2@108.94,-88.232
RS485A2: J2.27 R58.2 | length 13.3
  Top Layer w0.2: J2.27@86.222,-64.908 86.222,-66.029 86.487,-66.294 90.043,-66.294 91.567,-64.77 R58.2@93.492,-64.77 ; R58.2@93.032,-65.23 ccw(c91.922,-66.339) 91.922,-64.77 ccw(c91.922,-63.201) R58.2@93.032,-64.31 ; R58.2@93.173,-65.088 ccw(c92.405,-65.856) 92.405,-64.77 ccw(c92.405,-63.684) R58.2@93.173,-64.452
RS485B2: J2.26 R56.2 | length 22.1
  Top Layer w0.2: J2.26@83.682,-63.03 cw(c83.682,-64.629) 84.812,-63.499 cw(c85.942,-62.368) J2.26@84.344,-62.368 ; J2.26@83.682,-62.83 cw(c83.682,-63.946) 84.471,-63.157 cw(c85.259,-62.368) J2.26@84.144,-62.368 ; J2.26@83.682,-62.368 84.836,-63.523 84.836,-66.656 85.09,-66.91 86.532,-66.91 86.932,-67.31 R56.2@93.492,-67.31 ; R56.2@93.032,-67.77 ccw(c91.922,-68.879) 91.922,-67.31 ccw(c91.922,-65.741) R56.2@93.032,-66.85 ; R56.2@93.173,-67.628 ccw(c92.405,-68.396) 92.405,-67.31 ccw(c92.405,-66.224) R56.2@93.173,-66.992